# Allegro board SG2042_EVB_V2_0.brd (continued)
## Routing (per net, layer and track width the routed paths; a pad name or vN(x,y) marks a point on that pad's centre or on a via; arc(x,y) is an arc through that point) (continued)
HTX0+: length 207.6
  TOP w0.081: U3273.V22 v1(179.49,106.03)
  ART05 w0.074: v1(29.31,174.9) 29.29,174.92 28.7,174.92 28.42,174.64 28.42,166.24 38.48,156.18 42.35,156.18 66.38,132.16 156.75,132.16 173.1,115.81 173.1,110.64 177.17,106.57 177.87,106.57 178.01,106.43 179.09,106.43 v1(179.49,106.03)
  BOTTOM w0.081: J2047.H7 12.41,175.14 arc(12.55,175.23) 12.7,175.26 12.8,175.26 arc(12.95,175.23) 13.09,175.14 13.59,174.63 arc(14.28,174.17) 15.1,174.01 18.6,174.01 arc(19.31,174.15) 19.91,174.55 19.98,174.62 arc(20.51,174.97) 21.13,175.09 22.38,175.09 arc(22.49,175.07) 22.59,175.01 D600.2 22.86,175.09 29.12,175.09 v1(29.31,174.9)
HTX0-: length 207.6
  TOP w0.081: U3273.V23 v1(178.69,106.03)
  ART05 w0.074: v1(178.69,106.03) 178.52,106.21 177.92,106.21 177.78,106.34 177.08,106.34 172.87,110.55 172.87,115.71 156.66,131.93 66.28,131.93 42.26,155.96 38.39,155.96 28.19,166.15 28.19,174.73 28.61,175.15 28.95,175.15 v1(29.31,175.51)
  BOTTOM w0.081: J2047.H9 12.41,175.61 arc(12.55,175.52) 12.7,175.49 12.8,175.49 arc(13.04,175.44) 13.25,175.3 13.76,174.8 arc(14.37,174.39) 15.1,174.24 18.6,174.24 arc(19.22,174.36) 19.75,174.72 19.82,174.78 arc(20.42,175.19) 21.13,175.33 22.38,175.33 arc(22.49,175.35) 22.59,175.41 D599.2 22.86,175.33 29.12,175.33 v1(29.31,175.51)
HTX1+: length 213.3
  TOP w0.081: U3273.U22 v1(179.49,105.23)
  ART05 w0.074: v1(25.81,172.92) 26.52,172.92 27.48,171.97 27.48,165.85 38.09,155.24 41.96,155.24 65.99,131.22 156.36,131.22 172.16,115.42 172.16,109.47 176,105.63 179.09,105.63 v1(179.49,105.23)
  BOTTOM w0.081: J2047.H4 8.9,173.38 arc(8.87,173.54) 8.78,173.67 8.17,174.28 arc(8.04,174.36) 7.9,174.39 7.88,174.39 arc(7.73,174.36) 7.6,174.28 7.59,174.26 arc(7.5,174.13) 7.47,173.98 7.47,173.3 arc(7.62,172.54) 8.05,171.9 8.5,171.45 arc(9.62,170.7) 10.95,170.44 20,170.44 arc(20.18,170.48) 20.33,170.58 20.4,170.65 arc(20.63,170.8) 20.9,170.86 22.38,170.86 arc(22.49,170.88) 22.59,170.94 D602.2 22.86,170.86 23.26,170.86 25.14,172.74 25.62,172.74 v1(25.81,172.92)
HTX1-: length 213.3
  TOP w0.081: U3273.U23 v1(178.69,105.23)
  ART05 w0.074: v1(25.81,172.31) 26.19,172.7 26.43,172.7 26.59,172.54 arc(26.65,172.4) 26.59,172.27 26.48,172.16 arc(26.48,171.89) 26.75,171.89 26.86,172 arc(26.99,172.06) 27.12,172 27.25,171.87 27.25,165.76 38,155.02 41.87,155.02 65.89,130.99 156.27,130.99 171.94,115.32 171.94,109.38 175.91,105.4 178.52,105.4 v1(178.69,105.23)
  BOTTOM w0.081: J2047.H6 7.88,174.62 arc(7.64,174.58) 7.44,174.44 7.42,174.43 arc(7.29,174.22) 7.24,173.98 7.24,173.3 arc(7.41,172.45) 7.89,171.73 8.34,171.29 arc(9.53,170.49) 10.95,170.21 20,170.21 arc(20.27,170.26) 20.5,170.41 20.57,170.48 arc(20.72,170.59) 20.9,170.62 22.38,170.62 arc(22.49,170.6) 22.59,170.54 D601.2 22.86,170.62 23.35,170.62 25.23,172.5 25.62,172.5 v1(25.81,172.31)
HTX2+: length 203.5
  TOP w0.081: U3273.T22 v1(179.49,104.43)
  ART05 w0.074: v1(23.19,172.67) 22.95,172.67 22.87,172.6 22.87,169.13 37.7,154.3 41.57,154.3 65.6,130.28 155.97,130.28 171.22,115.03 171.22,109.08 175.61,104.69 177.78,104.69 177.92,104.83 179.09,104.83 v1(179.49,104.43)
  BOTTOM w0.081: v1(23.19,172.67) 23.18,172.68 D604.2 22.59,172.77 arc(22.49,172.83) 22.38,172.86 21.33,172.86 arc(20.65,172.72) 20.07,172.33 19.99,172.26 arc(19.34,171.82) 18.56,171.67 14.22,171.67 arc(13.84,171.75) 13.51,171.96 13.45,172.02 arc(13.19,172.2) 12.88,172.26 12.7,172.26 arc(12.55,172.23) 12.41,172.14 J2047.H1
HTX2-: length 203.5
  TOP w0.081: U3273.T23 v1(178.69,104.43)
  ART05 w0.074: v1(178.69,104.43) 178.52,104.6 178.01,104.6 177.87,104.47 175.52,104.47 171.16,108.83 171,108.99 171,114.93 155.88,130.05 65.5,130.05 41.48,154.08 37.61,154.08 22.65,169.04 22.65,172.73 v1(23.19,173.28)
  BOTTOM w0.081: v1(23.19,173.28) 23.18,173.27 D603.2 22.59,173.18 arc(22.49,173.11) 22.38,173.09 21.33,173.09 arc(20.56,172.94) 19.9,172.5 19.83,172.42 arc(19.25,172.04) 18.56,171.9 14.22,171.9 arc(13.93,171.96) 13.68,172.13 13.62,172.19 arc(13.28,172.41) 12.88,172.49 12.7,172.49 arc(12.55,172.52) 12.41,172.61 J2047.H3
HTXC+: length 214.2
  TOP w0.081: U3273.W22 v1(179.49,106.83)
  ART05 w0.074: v1(179.49,106.83) 179.09,107.23 178.15,107.23 177.87,107.51 177.56,107.51 175.8,109.27 174.04,111.03 174.04,116.2 157.14,133.1 66.77,133.1 42.74,157.12 38.87,157.12 30.5,165.49 30.5,169.32 30.09,169.73 29.5,169.73 v1(29.31,169.93)
  BOTTOM w0.081: v1(29.31,169.93) 29.12,169.74 24.37,169.74 23.26,168.62 22.86,168.62 D598.2 22.59,168.71 arc(22.49,168.64) 22.38,168.62 21.77,168.62 arc(21.26,168.72) 20.82,169.01 20.75,169.08 arc(20.24,169.42) 19.64,169.54 10.95,169.54 arc(9.28,169.88) 7.87,170.82 7.34,171.35 arc(6.78,172.19) 6.58,173.19 6.58,174.11 arc(6.65,174.49) 6.87,174.81 6.94,174.88 arc(7.2,175.28) 7.29,175.75 7.29,176.94 arc(7.33,177.11) 7.42,177.25 7.5,177.32 arc(7.57,177.37) 7.67,177.39 7.89,177.39 arc(8.04,177.36) 8.17,177.27 8.76,176.69 arc(8.86,176.53) 8.9,176.34 J2047.H10
HTXC-: length 214.2
  TOP w0.081: U3273.W23 v1(178.69,106.83)
  ART05 w0.074: v1(178.69,106.83) 178.52,107 178.06,107 177.78,107.28 177.47,107.28 175.64,109.11 173.81,110.94 173.81,116.1 157.05,132.87 66.67,132.87 42.65,156.9 38.78,156.9 30.28,165.4 30.28,167.24 arc(30.22,167.37) 30.09,167.43 29.86,167.43 arc(29.67,167.62) 29.86,167.81 30.09,167.81 arc(30.22,167.86) 30.28,168 30.28,169.23 29.99,169.51 29.5,169.51 v1(29.31,169.32)
  BOTTOM w0.081: J2047.H12 7.67,177.62 arc(7.49,177.59) 7.33,177.49 7.26,177.41 arc(7.11,177.19) 7.06,176.94 7.06,175.75 arc(6.99,175.37) 6.77,175.05 6.7,174.98 arc(6.44,174.58) 6.34,174.11 6.34,173.19 arc(6.56,172.1) 7.18,171.18 7.7,170.66 arc(9.19,169.66) 10.95,169.31 19.64,169.31 arc(20.15,169.21) 20.59,168.92 20.66,168.85 arc(21.17,168.51) 21.77,168.39 22.38,168.39 arc(22.49,168.36) 22.59,168.3 D597.2 22.86,168.39 23.35,168.39 24.47,169.5 29.12,169.5 v1(29.31,169.32)
I_+5V: length 290.5
  TOP w0.102: R2199.2 C3232.2 T91.1 v1(221.67,229.06) ; v1(122.1,30.43) 122.22,30.3 U2009.35
  ART14 w0.102: v1(221.67,229.06) 218.41,229.06 216.89,227.53 214.43,227.53 204.75,217.85 204.75,149.99 173.23,118.47 173.23,92.22 168.61,87.59 168.61,77.55 165.15,74.09 165.15,70.42 161.93,67.19 161.93,59.05 168.99,51.99 168.99,28.7 v1(169.6,28.09)
  BOTTOM w0.102: v1(169.6,28.09) 166.73,25.22 149.58,25.22 147.37,23.01 139.14,23.01 135.96,26.19 134.33,26.19 129.68,30.84 122.5,30.84 v1(122.1,30.43)
I_VDD_12V: length 292.8
  TOP w0.102: v1(122.83,30.43) 122.72,30.32 U2009.36 ; R2200.2 C3234.2 T93.1 v1(222.5,231.01)
  ART14 w0.102: v1(169.6,26.97) 168.58,27.99 168.58,51.82 161.52,58.88 161.52,67.36 164.57,70.41 164.57,76.38 168.2,80.01 168.2,87.76 172.82,92.38 172.82,118.63 204.34,150.16 204.34,218.02 214.27,227.94 216.72,227.94 218.47,229.69 221.18,229.69 v1(222.5,231.01)
  BOTTOM w0.102: v1(169.6,26.97) 167.44,24.82 149.75,24.82 147.54,22.61 138.97,22.61 135.8,25.78 134.16,25.78 129.51,30.43 v1(122.83,30.43)
IIC0_SCL: length 4.2
  TOP w0.102: U2003.1 v1(42.88,255.96) R243.1
  BOTTOM w0.102: R12920.2 v1(42.88,255.96) R243.1
IIC0_SCL_H: length 326.7
  TOP w0.102: R2277.1 v1(42.88,247.78) U2003.20 ; J14.1 229.67,105.94 227.86,105.94 223.85,101.93 218.41,101.93 215.98,104.37 206.68,104.37 199.54,111.51 199.54,120.42 198.69,121.27 193.43,121.27 185.09,129.62 158.53,129.62 155.36,132.79 56.36,132.79 v1(56.18,132.61)
  BOTTOM w0.102: v1(56.18,132.61) 56.21,132.64 56.21,143.17 45,154.38 44.5,154.38 43.32,154.38 43.32,154.38 43.15,154.38 41.53,154.38 35.92,159.99 35.92,241.31 42.39,247.78 v1(42.88,247.78) R2190.1
IIC0_SDA: length 4.6
  TOP w0.102: R246.1 v1(41.58,255.96) U2003.3
  BOTTOM w0.102: R12921.2 v1(41.58,255.96) R246.1
IIC0_SDA_H: length 327.1
  TOP w0.102: U2003.18 v1(41.58,247.78) R2278.1 ; v1(55.63,132.61) 56.01,132.99 155.44,132.99 158.61,129.82 185.17,129.82 193.52,121.48 198.78,121.48 199.75,120.51 199.75,111.59 206.76,104.57 216.06,104.57 218.5,102.13 223.77,102.13 227.78,106.15 229.67,106.15 J14.3
  BOTTOM w0.102: v1(55.63,132.61) 56.01,132.99 56.01,143.09 44.92,154.18 44.58,154.18 43.4,154.18 43.23,154.18 43.23,154.18 41.44,154.18 35.71,159.91 35.71,241.39 41.58,247.26 v1(41.58,247.78) R2191.1
IIC1_SCL: length 3.2
  TOP w0.102: R247.1 v1(40.93,256.46) U2003.4
  BOTTOM w0.102: R247.1 v1(40.93,256.46)
IIC1_SCL_H: length 313.7
  TOP w0.102: J14.7 229.67,113.56 227.28,113.56 224.43,116.41 212.56,116.41 205.66,123.3 194.28,123.3 185.93,131.65 159.37,131.65 156.2,134.82 55.7,134.82 v1(55.22,135.31) ; R2184.1 v1(40.93,247.27) U2003.17
  BOTTOM w0.102: R2192.1 v1(40.93,247.27) 35.51,241.85 35.51,159.83 41.36,153.97 43.32,153.97 43.32,153.98 43.49,153.98 44.67,153.98 44.83,153.98 55.8,143.01 55.8,135.89 v1(55.22,135.31)
IIC1_SDA: length 3.5
  TOP w0.102: R248.1 v1(40.28,255.96) U2003.5
  BOTTOM w0.102: R248.1 v1(40.28,255.96)
IIC1_SDA_H: length 312.9
  TOP w0.102: R2185.1 v1(40.28,247.78) U2003.16 ; v1(55.22,135.86) 56.06,135.03 156.28,135.03 159.46,131.85 186.02,131.85 194.36,123.51 205.75,123.51 212.64,116.61 224.52,116.61 227.36,113.77 229.67,113.77 J14.9
  BOTTOM w0.102: R2193.1 v1(40.28,247.78) 40.28,247.26 35.31,242.28 35.31,159.74 41.28,153.77 43.4,153.77 43.57,153.77 44.75,153.77 55.6,142.92 55.6,136.25 v1(55.22,135.86)
IIC2_SCL: length 3
  TOP w0.102: U2003.6 v1(39.63,256.46) R249.1
  BOTTOM w0.102: R249.1 v1(39.63,256.46)
IIC2_SCL_H: length 464.7
  TOP w0.102: U2003.15 v1(39.63,247.27) ; R12698.1 v1(116.05,69.22) 115.58,68.74 U3253.19
  ART03 w0.102: v1(195.33,57.25) 195.33,57.85 195.81,58.34 195.81,69.74 225.54,99.47 228.91,99.47 233.04,103.6 233.04,117.81 J14.13
  ART05 w0.102: v1(39.63,247.27) 29.44,237.08 29.44,233.33 24.1,228 24.1,190.91 20.47,187.28 20.47,170.79 13.49,163.8 13.49,156.3 4.24,147.06 4.24,118.87 21.62,101.5 21.62,72.67 v1(21.23,72.29)
  BOTTOM w0.102: v1(21.23,72.29) 21.64,72.69 107.41,72.69 111.96,68.15 114.99,68.15 v1(116.05,69.22) 116.23,69.39 137.31,69.39 141.86,64.85 152.4,64.85 159.31,57.94 194.64,57.94 v1(195.33,57.25) ; R2194.1 v1(39.63,247.27)
IIC2_SDA: length 3.6
  TOP w0.102: R252.1 v1(38.98,255.96) U2003.7
  BOTTOM w0.102: R252.1 v1(38.98,255.96)
IIC2_SDA_H: length 465.5
  TOP w0.102: R12699.1 v1(115.19,69.22) 115.08,69.1 U3253.20 ; U2003.14 v1(38.98,247.78)
  ART03 w0.102: v1(195.73,57.66) 196.01,57.94 196.01,69.65 225.62,99.26 229,99.26 233.25,103.51 233.25,120.14 J14.15
  ART05 w0.102: v1(21.23,72.9) 21.41,73.08 21.41,101.42 4.04,118.79 4.04,147.14 13.28,156.39 13.28,163.89 20.27,170.87 20.27,187.37 23.9,191 23.9,228.08 29.24,233.42 29.24,237.53 38.98,247.27 v1(38.98,247.78)
  BOTTOM w0.102: v1(21.23,72.9) 107.5,72.9 112.04,68.35 114.33,68.35 v1(115.19,69.22) 115.57,69.6 137.4,69.6 141.94,65.05 152.48,65.05 159.39,58.14 195.25,58.14 v1(195.73,57.66) ; R2195.1 v1(38.98,247.78)
IIC3_SCL: length 142.8
  TOP w0.102: U2003.8 v1(38.33,256.46) R254.1 ; U2010.7 v1(73.44,147.78)
  BOTTOM w0.102: v1(73.44,147.78) 53.6,147.78 46.35,155.02 46.35,164.36 47.6,165.6 47.6,183.87 48.39,184.66 48.39,189.13 48.06,189.46 48.06,202.13 48.97,203.05 48.97,246.86 42.65,253.19 41.1,253.19 38.33,255.96 v1(38.33,256.46) R254.1
IIC3_SCL_H: length 305.5
  TOP w0.102: v1(55.22,137.9) 55.72,137.9 57.37,136.25 156.79,136.25 159.96,133.07 206.48,133.07 208.08,131.47 208.08,129.59 209.4,128.27 225.37,128.27 225.91,128.8 229.67,128.8 J14.19 ; U2003.13 v1(38.33,247.27)
  BOTTOM w0.102: v1(55.22,137.9) 55.22,143.02 44.67,153.57 43.65,153.57 43.49,153.57 41.19,153.57 35.1,159.66 35.1,244.04 v1(38.33,247.27) R2196.1
IIC3_SDA: length 143.6
  TOP w0.102: U2003.9 v1(37.68,255.96) R255.1 ; v1(72.79,147.27) U2010.6
  BOTTOM w0.102: v1(72.79,147.27) 72.49,147.57 53.52,147.57 46.15,154.94 46.15,164.44 47.4,165.68 47.4,183.95 48.18,184.74 48.18,189.04 47.85,189.37 47.85,202.22 48.77,203.13 48.77,246.78 42.56,252.98 40.65,252.98 v1(37.68,255.96) R255.1
IIC3_SDA_H: length 305.7
  TOP w0.102: v1(54.66,137.9) 55.04,138.28 55.68,138.28 57.51,136.45 156.87,136.45 160.05,133.27 206.56,133.27 208.28,131.55 208.28,129.68 209.48,128.47 225.29,128.47 225.82,129.01 225.99,129.01 229.67,129.01 J14.21 ; U2003.12 v1(37.68,247.78)
  BOTTOM w0.102: R2197.1 v1(37.68,247.78) 37.68,247.26 34.9,244.48 34.9,159.57 41.11,153.37 43.57,153.37 43.74,153.37 44.58,153.37 54.66,143.29 v1(54.66,137.9)
JTAG0_SRST_X: length 1.7
  TOP w0.102: R141.2 T79.1
JTAG0_TCK: length 1.7
  TOP w0.102: R145.2 T81.1
JTAG0_TDI: length 1.7
  TOP w0.102: R148.2 T82.1
JTAG0_TDO: length 1.7
  TOP w0.102: R151.2 T83.1
JTAG0_TMS: length 1.7
  TOP w0.102: R154.2 T84.1
JTAG0_TRST_X: length 1.7
  TOP w0.102: R142.2 T80.1
JTAG1_SRST_X: length 5.6
  TOP w0.102: J10.15 235.59,264.18 D10.1 231.82,264.19 R159.2
JTAG1_TCK: length 7.7
  TOP w0.102: R162.2 R136.2 230.97,271.09 D8.1 ; D8.1 236.29,271.09 J10.9 ; D8.1 231.83,269.62
JTAG1_TDI: length 6.5
  TOP w0.102: J10.5 235.58,275.46 D9.1 230.97,275.46 230.96,275.46 230.1,275.46
JTAG1_TDO: length 6.4
  TOP w0.102: J10.13 235.85,266.46 D13.1 230.97,266.46 R101.1 R172.2
JTAG1_TMS: length 6.3
  TOP w0.102: J10.7 236.04,273.37 D11.1 230.97,273.37 R100.1 R180.2
JTAG1_TRST_X: length 7.6
  TOP w0.102: R160.2 R133.2 R98.1 230.97,277.54 D12.1 235.12,277.54 J10.3
JTAG2_SRST_X: length 1.7
  TOP w0.102: R174.2 T85.1
JTAG2_TCK: length 1.7
  TOP w0.102: R185.2 T88.1
JTAG2_TDI: length 1.7
  TOP w0.102: R188.2 T89.1
JTAG2_TDO: length 1.7
  TOP w0.102: R190.2 T87.1
JTAG2_TMS: length 1.7
  TOP w0.102: R191.2 T90.1
JTAG2_TRST_X: length 1.7
  TOP w0.102: R184.2 T86.1
LED_10048: length 4
  TOP w0.254: R12554.2 220.37,78.03 220.37,76.02 220.55,75.84 U3237.46
LPC_CLKRUN: length 1.7
  TOP w0.102: U806.1 200.46,233.9 R225.2
LPC_CLKRUN_H: length 13.3
  TOP w0.102: R2211.2 v1(189.99,233.81)
  ART03 w0.102: J13.2 193.85,243.43 193.85,237.67 v1(189.99,233.81)
LPC_LAD0: length 1.8
  TOP w0.102: R232.2 200.24,235.85 U806.4
LPC_LAD0_H: length 16.7
  TOP w0.102: R2213.2 v1(189.99,235.53)
  ART03 w0.102: v1(189.99,235.53) 193.34,238.89 193.34,248.01 J13.6
LPC_LAD1: length 1.7
  TOP w0.102: U806.5 200.45,236.5 R234.2
LPC_LAD1_H: length 18.3
  TOP w0.102: R2214.2 v1(189.99,236.4)
  ART03 w0.102: v1(189.99,236.4) 193.09,239.5 193.09,250.29 J13.8
LPC_LAD2: length 1.7
  TOP w0.102: U806.6 200.45,237.15 R237.2
LPC_LAD2_H: length 20
  TOP w0.102: R2215.2 v1(189.99,237.26)
  ART03 w0.102: J13.10 192.84,252.58 192.84,240.11 v1(189.99,237.26)
LPC_LAD3: length 1.8
  TOP w0.102: U806.7 200.24,237.8 R239.2
LPC_LAD3_H: length 21.7
  TOP w0.102: R2216.2 v1(189.99,238.12)
  ART03 w0.102: v1(189.99,238.12) 192.58,240.72 192.58,254.86 J13.12
LPC_LCLK: length 1.9
  TOP w0.102: U806.3 200.02,235.2 R231.2
LPC_LCLK_H: length 15
  TOP w0.102: R2212.2 v1(189.99,234.67)
  ART03 w0.102: v1(189.99,234.67) 193.6,238.28 193.6,245.72 J13.4
LPC_LDRQ0: length 1.9
  TOP w0.102: U806.8 200.02,238.45 R241.2
LPC_LDRQ0_H: length 23.4
  TOP w0.102: R2217.2 v1(189.99,238.99)
  ART03 w0.102: J13.14 192.33,257.15 192.33,241.33 v1(189.99,238.99)
LPC_LDRQ1: length 2
  TOP w0.102: R242.2 199.81,239.1 U806.9
LPC_LDRQ1_H: length 25
  TOP w0.102: R2218.2 v1(189.99,239.85)
  ART03 w0.102: v1(189.99,239.85) 192.07,241.94 192.07,259.44 J13.16
LPC_LFRAME: length 1.7
  TOP w0.102: U807.1 206.62,234.84 R244.2
LPC_LFRAME_H: length 31.9
  TOP w0.102: R2203.2 v1(206.53,245.31) ; J13.18 195.86,263.83 198.96,263.83 199.29,264.16 205.28,264.16 v1(205.74,264.62)
  ART14 w0.102: v1(205.74,264.62) 206.17,264.19 206.17,263.12 206.63,262.66 206.63,245.41 v1(206.53,245.31)
LPC_LPCPD: length 1.9
  TOP w0.102: R472.2 207.92,235.28 U807.3
LPC_LPCPD_H: length 35.1
  TOP w0.102: v1(206.6,266.7) 199.29,266.7 198.96,266.37 195.86,266.37 J13.20 ; R2204.2 v1(207.39,245.31)
  ART14 w0.102: v1(206.6,266.7) 207.42,265.89 207.42,263.4 208.08,262.74 208.08,261.52 207.9,261.34 207.9,245.82 v1(207.39,245.31)
LPC_LPME: length 1.8
  TOP w0.102: U807.4 208.57,235.07 R473.2
LPC_LPME_H: length 11.8
  TOP w0.102: R2205.2 v1(208.25,245.31)
  BOTTOM w0.102: v1(208.25,245.31) 207.77,244.83 197.79,244.83 J13.1
LPC_LSMI: length 1.7
  TOP w0.102: R474.2 209.22,234.85 U807.5
LPC_LSMI_H: length 13
  TOP w0.102: R2206.2 v1(209.12,245.31)
  BOTTOM w0.102: v1(209.12,245.31) 208.66,245.77 198.68,245.77 J13.3
LPC_SERIRQ: length 1.7
  TOP w0.102: U807.6 209.88,234.85 R475.2
LPC_SERIRQ_H: length 37.5
  TOP w0.102: v1(206.6,268.61) 196.16,268.61 J13.22 ; R2207.2 v1(209.98,245.31)
  ART14 w0.102: v1(206.6,268.61) 208.51,266.7 208.51,263.3 209.17,262.64 209.17,246.13 v1(209.98,245.31)
MCU_ATX_ON: length 20.7
  TOP w0.102: R2445.2 v1(127.64,47.68) ; R2446.1 v1(109.7,43.87)
  ART03 w0.102: v1(109.7,43.87) 112.93,47.09 127.05,47.09 v1(127.64,47.68)
MCU_BOOT0: length 2.5
  TOP w0.102: U2009.94 v1(120.72,44.35)
  BOTTOM w0.102: v1(120.72,44.35) 120.73,44.35 R2343.2 R2341.1
MCU_BOOT1: length 2.5
  TOP w0.102: U2009.37 v1(123.22,26.92)
  BOTTOM w0.102: 124.08,27.56 123.22,27.56 123.22,26.93 v1(123.22,26.92)
MCU_GPIO1: length 11.4
  TOP w0.102: Q2018.3 v1(119.18,15.45) ; R2331.1 v1(122.43,23.6)
  ART03 w0.102: v1(122.43,23.6) 122.43,18.7 v1(119.18,15.45)
  BOTTOM w0.102: R2331.1 v1(122.43,23.6)
MCU_GPIO2: length 10.4
  TOP w0.102: Q2020.3 v1(122.58,15.45) ; R2332.1 v1(123.29,23.6)
  ART03 w0.102: v1(122.58,15.45) 123.29,16.16 v1(123.29,23.6)
  BOTTOM w0.102: R2332.1 v1(123.29,23.6)
MCU_GPIO3: length 10.9
  TOP w0.102: R2333.1 v1(124.16,23.6) ; Q2022.3 v1(125.98,15.45)
  ART03 w0.102: v1(125.98,15.45) 124.16,17.28 v1(124.16,23.6)
  BOTTOM w0.102: R2333.1 v1(124.16,23.6)
MCU_GPIO4: length 11.9
  TOP w0.102: Q2024.3 v1(129.39,15.45) ; R2334.1 v1(125.02,23.6)
  ART03 w0.102: v1(125.02,23.6) 125.02,19.82 v1(129.39,15.45)
  BOTTOM w0.102: R2334.1 v1(125.02,23.6)
MCU_GPIO5: length 26
  TOP w0.102: R12767.1 v1(104.34,15.77) ; R2335.1 v1(125.88,23.6)
  BOTTOM w0.102: v1(104.34,15.77) 110.08,21.51 123.8,21.51 v1(125.88,23.6)
MCU_GPIO6: length 23.5
  TOP w0.102: R2336.1 v1(126.75,23.6) ; R12765.1 v1(107.75,15.77)
  BOTTOM w0.102: v1(126.75,23.6) 124.05,20.9 112.88,20.9 v1(107.75,15.77)
MCU_GPIO7: length 20.9
  TOP w0.102: R2337.1 v1(127.61,23.6) ; R12766.1 v1(111.15,15.77)
  BOTTOM w0.102: v1(111.15,15.77) 115.67,20.29 124.31,20.29 v1(127.61,23.6)
MCU_GPIO8: length 18.4
  TOP w0.102: R12764.1 v1(114.55,15.77) ; v1(128.47,23.6) R2338.1
  BOTTOM w0.102: v1(128.47,23.6) 124.56,19.68 118.47,19.68 v1(114.55,15.77)
MCU_I2C1_SCL: length 3.4
  TOP w0.102: U11.8 129.83,23.1 v1(129.34,23.6) R2303.1
  BOTTOM w0.102: R2303.1 v1(129.34,23.6)
MCU_I2C1_SDA: length 2.3
  TOP w0.102: R2304.1 v1(130.2,23.6) 130.2,23.6 U11.7
  BOTTOM w0.102: R2304.1 v1(130.2,23.6)
MCU_I2C2_SCL: length 321.7
  TOP w0.102: R2091.2 v1(121.59,47.68) ; R2184.2 v1(41.25,245.19)
  ART05 w0.102: v1(23.67,50.8) 23.06,51.41 23.06,69.38 22.23,70.22 22.23,101.75 4.85,119.13 4.85,146.8 15.45,157.4 16.05,157.4 18.49,159.84 18.49,167.94 21.08,170.53 21.08,187.03 25.32,191.27 25.32,200.25 24.71,200.86 24.71,208.82 25.35,209.46 25.35,218.03 24.71,218.66 24.71,227.75 30.05,233.08 30.05,236.83 38.79,245.57 40.87,245.57 v1(41.25,245.19)
  BOTTOM w0.102: R2091.2 v1(121.59,47.68) 118.41,50.85 23.72,50.85 v1(23.67,50.8)
MCU_I2C2_SDA: length 320.7
  TOP w0.102: R2092.2 v1(122.45,47.68) ; R2185.2 v1(40.39,245.19)
  ART05 w0.102: v1(23.67,51.41) 23.27,51.82 23.27,69.47 22.43,70.31 22.43,101.84 5.05,119.21 5.05,146.72 15.54,157.2 16.14,157.2 18.69,159.76 18.69,167.86 21.29,170.45 21.29,186.94 25.53,191.19 25.53,200.33 24.92,200.94 24.92,208.74 25.55,209.37 25.55,218.11 24.92,218.74 24.92,227.66 30.25,233 30.25,236.74 38.7,245.19 v1(40.39,245.19)
  BOTTOM w0.102: R2092.2 v1(122.45,47.68) 119.08,51.05 24.03,51.05 v1(23.67,51.41)
MCU_NRST: length 28.5
  TOP w0.102: U2009.14 v1(115.01,35.14) ; R2025.1 v1(137.72,27.56)
  BOTTOM w0.102: v1(115.01,35.14) 115.04,35.1 C3272.2 R2340.1 115.65,33.96 115.98,33.63 127.64,33.63 131.67,29.59 136.47,29.59 TP30.1 v1(137.72,27.56)
MCU_OK: length 1.2
  TOP w0.102: R2074.2 v1(135.76,33.48)
  BOTTOM w0.102: R2074.2 v1(135.76,33.48)
MCU_PS_ON#: length 5.1
  TOP w0.102: U2009.7 113.26,38.64 R2440.1 110.96,38.76 Q403.3
MCU_PWR_OK_C: length 16.5
  TOP w0.102: v1(133.73,44.7) R2442.1 Q2009.3 ; U2009.55 v1(132.44,31.64)
  ART03 w0.102: v1(132.44,31.64) 132.44,32.41 133.53,33.5 133.53,44.5 v1(133.73,44.7)
MCU_SWCLK: length 22.4
  TOP w0.102: R2024.1 v1(137.72,32.64) ; R2250.2 v1(129.97,47.07)
  ART03 w0.102: v1(129.97,47.07) 134.75,47.07 137.19,44.63 137.19,33.17 v1(137.72,32.64)
  BOTTOM w0.102: TP32.1 v1(137.72,32.64)
MCU_SWDIO: length 16.6
  TOP w0.102: R2106.2 v1(135.76,43.84) ; R2023.1 v1(137.72,30.1)
  ART03 w0.102: v1(137.72,30.1) 136.47,31.34 136.47,43.13 v1(135.76,43.84)
  BOTTOM w0.102: TP31.1 v1(137.72,30.1)
MCU_USART1_RX: length 178.5
  TOP w0.102: R2252.2 123.32,51.77 127.3,55.75 158.76,55.75 159.34,56.34 v1(165.56,56.34) ; SW202.6 v1(207.24,131.17)
  ART14 w0.102: v1(165.56,56.34) 176.38,67.16 176.38,75.96 175.08,77.25 175.08,87.75 174.04,88.79 174.04,91.7 174.04,91.7 174.04,118.13 187.08,131.17 v1(207.24,131.17)
  BOTTOM w0.102: J14.22 226.67,128.55 209.85,128.55 v1(207.24,131.17)
MCU_USART1_TX: length 176.5
  TOP w0.102: SW202.5 v1(207.24,129.9) ; v1(166.12,56.34) 165.71,55.93 159.22,55.93 158.84,55.55 127.97,55.55 124.18,51.77 R2253.2
  ART14 w0.102: v1(207.24,129.9) 186.1,129.9 174.24,118.04 174.24,91.62 174.24,91.62 174.24,88.87 175.29,87.83 175.29,77.33 176.58,76.04 176.58,66.8 v1(166.12,56.34)
  BOTTOM w0.102: v1(207.24,129.9) 208.79,128.35 227.58,128.35 J14.20
MODE_SEL0: length 99.3
  TOP w0.102: U1.B33 v1(121.75,248.05) ; v1(196.27,277.8) R128.2 R110.1
  ART03 w0.102: v1(196.27,277.8) 195.68,278.38 195.68,281.26 193.81,283.13 192.67,283.13 188.73,287.07 163.85,287.07 129.89,253.11 125.27,253.11 122.13,249.97 122.13,248.43 v1(121.75,248.05)
MODE_SEL1: length 92.3
  TOP w0.102: R115.1 R129.2 v1(193.01,279.53) ; U1.A34 v1(122.75,249.05)
  ART03 w0.102: v1(193.01,279.53) 192.63,279.91 192.63,281.35 190.64,283.34 189.04,283.34 185.72,286.66 164.02,286.66 130.06,252.7 125.53,252.7 122.75,249.92 v1(122.75,249.05)
MODE_SEL2: length 104.4
  TOP w0.102: v1(196.27,281.25) R130.2 R114.1 ; U1.F31 v1(119.75,244.05)
  ART03 w0.102: v1(196.27,281.25) 193.98,283.54 192.84,283.54 188.85,287.53 178.94,287.53 176.68,289.79 172.82,289.79 170.92,287.88 163.52,287.88 129.56,253.92 124.08,253.92 120.13,249.97 120.13,244.43 v1(119.75,244.05)
MOS_PWM0: length 117.9
  TOP w0.102: v1(203.05,300.02) 202.48,299.45 U202.1 ; U3262.28 v1(91.16,300.02)
  ART03 w0.102: v1(203.05,300.02) 202.47,300.61 202.47,301.89 200.47,303.89 95.02,303.89 v1(91.16,300.02)
MOS_PWM1: length 106.7
  TOP w0.102: U202.2 202.08,299.54 202.49,299.95 202.49,301.05 v1(201.88,301.65) ; U3263.28 v1(101.4,300.02)
  ART03 w0.102: v1(101.4,300.02) 104.85,303.48 200.25,303.48 201.88,301.85 v1(201.88,301.65)
MOS_PWM2: length 95.4
  TOP w0.102: U3264.28 v1(111.63,300.02) ; v1(201.88,300.02) 201.68,299.82 U202.3
  ART03 w0.102: v1(111.63,300.02) 114.68,303.07 200.08,303.07 201.26,301.89 201.26,300.65 v1(201.88,300.02)
MOS_PWM3: length 84.2
  TOP w0.102: U3265.28 v1(121.87,300.02) ; v1(200.68,301.65) 201.28,301.05 U202.4
  ART03 w0.102: v1(121.87,300.02) 124.51,302.67 199.89,302.67 200.68,301.88 v1(200.68,301.65)
MOS_PWM4: length 73.1
  TOP w0.102: U202.5 200.88,299.82 v1(200.68,300.02) ; U3266.28 v1(132.11,300.02)
  ART03 w0.102: v1(132.11,300.02) 134.34,302.26 199.72,302.26 200.09,301.89 200.09,300.61 v1(200.68,300.02)
MOS_PWM5: length 61.9
  TOP w0.102: v1(199.51,301.65) 200.09,301.07 200.09,299.93 200.48,299.55 U202.6 ; U3267.28 v1(142.34,300.02)
  ART03 w0.102: v1(199.51,301.65) 199.3,301.85 144.17,301.85 v1(142.34,300.02)
MULTI_SCKT: length 107.6
  TOP w0.102: v1(196.27,279.53) R171.2 R156.1 ; U1.H31 v1(119.75,242.05)
  ART03 w0.102: v1(119.75,242.05) 120.37,242.67 120.37,249.92 124.17,253.72 129.64,253.72 163.6,287.68 171,287.68 172.9,289.59 176.6,289.59 178.86,287.32 188.76,287.32 192.75,283.34 193.9,283.34 195.88,281.35 195.88,279.91 v1(196.27,279.53)
MVDD: length 23.1
  TOP w0.254: v1(216.79,99.97) C6218.1 R12980.2
  TOP w0.381: U3273.J8 v1(191.48,98.05) ; U3273.R10 v1(189.88,103.63) ; U3273.T9 v1(190.68,104.43) ; U3273.T10 v1(189.88,104.43) ; U3273.K8 v1(191.48,98.85) ; U3273.R9 v1(190.68,103.63) ; U3273.K9 v1(190.68,98.85) ; U3273.R8 v1(191.48,103.63) ; U3273.J9 v1(190.68,98.05) ; U3273.T8 v1(191.48,104.43)
  ART03 w0.203: v1(207.21,100.58) 208.71,102.08 211.51,102.08 213.61,99.97 v1(216.79,99.97)
  BOTTOM w0.254: 189.87,104.62 C6188.1 190.3,105.05 ; 191.77,99.03 C6193.1 192.2,98.6 ; 191.77,98.15 C6194.1 192.2,98.58 ; 191.77,104.19 C6196.1 192.2,103.76 ; 191.49,104.62 C6195.1 191.06,105.05
  BOTTOM w0.381: v1(194.68,103.63) 194.77,103.72 R12958.1
  vias: v1(206.15,100.58) v1(206.15,100.05) v1(206.68,100.58) v1(206.68,100.05) v1(207.21,100.05)
NVME0_ALERT: length 2.2
  TOP w0.102: R12571.2 163.55,42.44 J2030.44
NVME0_TX_N0: length 2.1
  TOP w0.114: J2030.47 153.01,43.19 152.88,43.32 152.22,43.32 C5871.2
NVME0_TX_N1: length 2.1
  TOP w0.114: J2030.35 153.01,40.19 152.88,40.32 152.21,40.32 C5875.2
NVME0_TX_N2: length 2.1
  TOP w0.114: C5879.2 152.21,37.32 152.88,37.32 153.01,37.19 J2030.23
NVME0_TX_N3: length 2.1
  TOP w0.114: J2030.11 153.01,34.19 152.88,34.32 152.21,34.32 C5883.2